# Altium PCB powerpath_controller.PcbDoc
Units mm, origin at the board's own origin, x right, y up, seen from the top; angles counter-clockwise.
Board outline 71.37 x 65.02 mm, 2 copper layers (Top Layer, Bottom Layer); 40 components, 17 nets, 108 pads, 16 vias.
Unrouted connection lines stored in the file: 13.
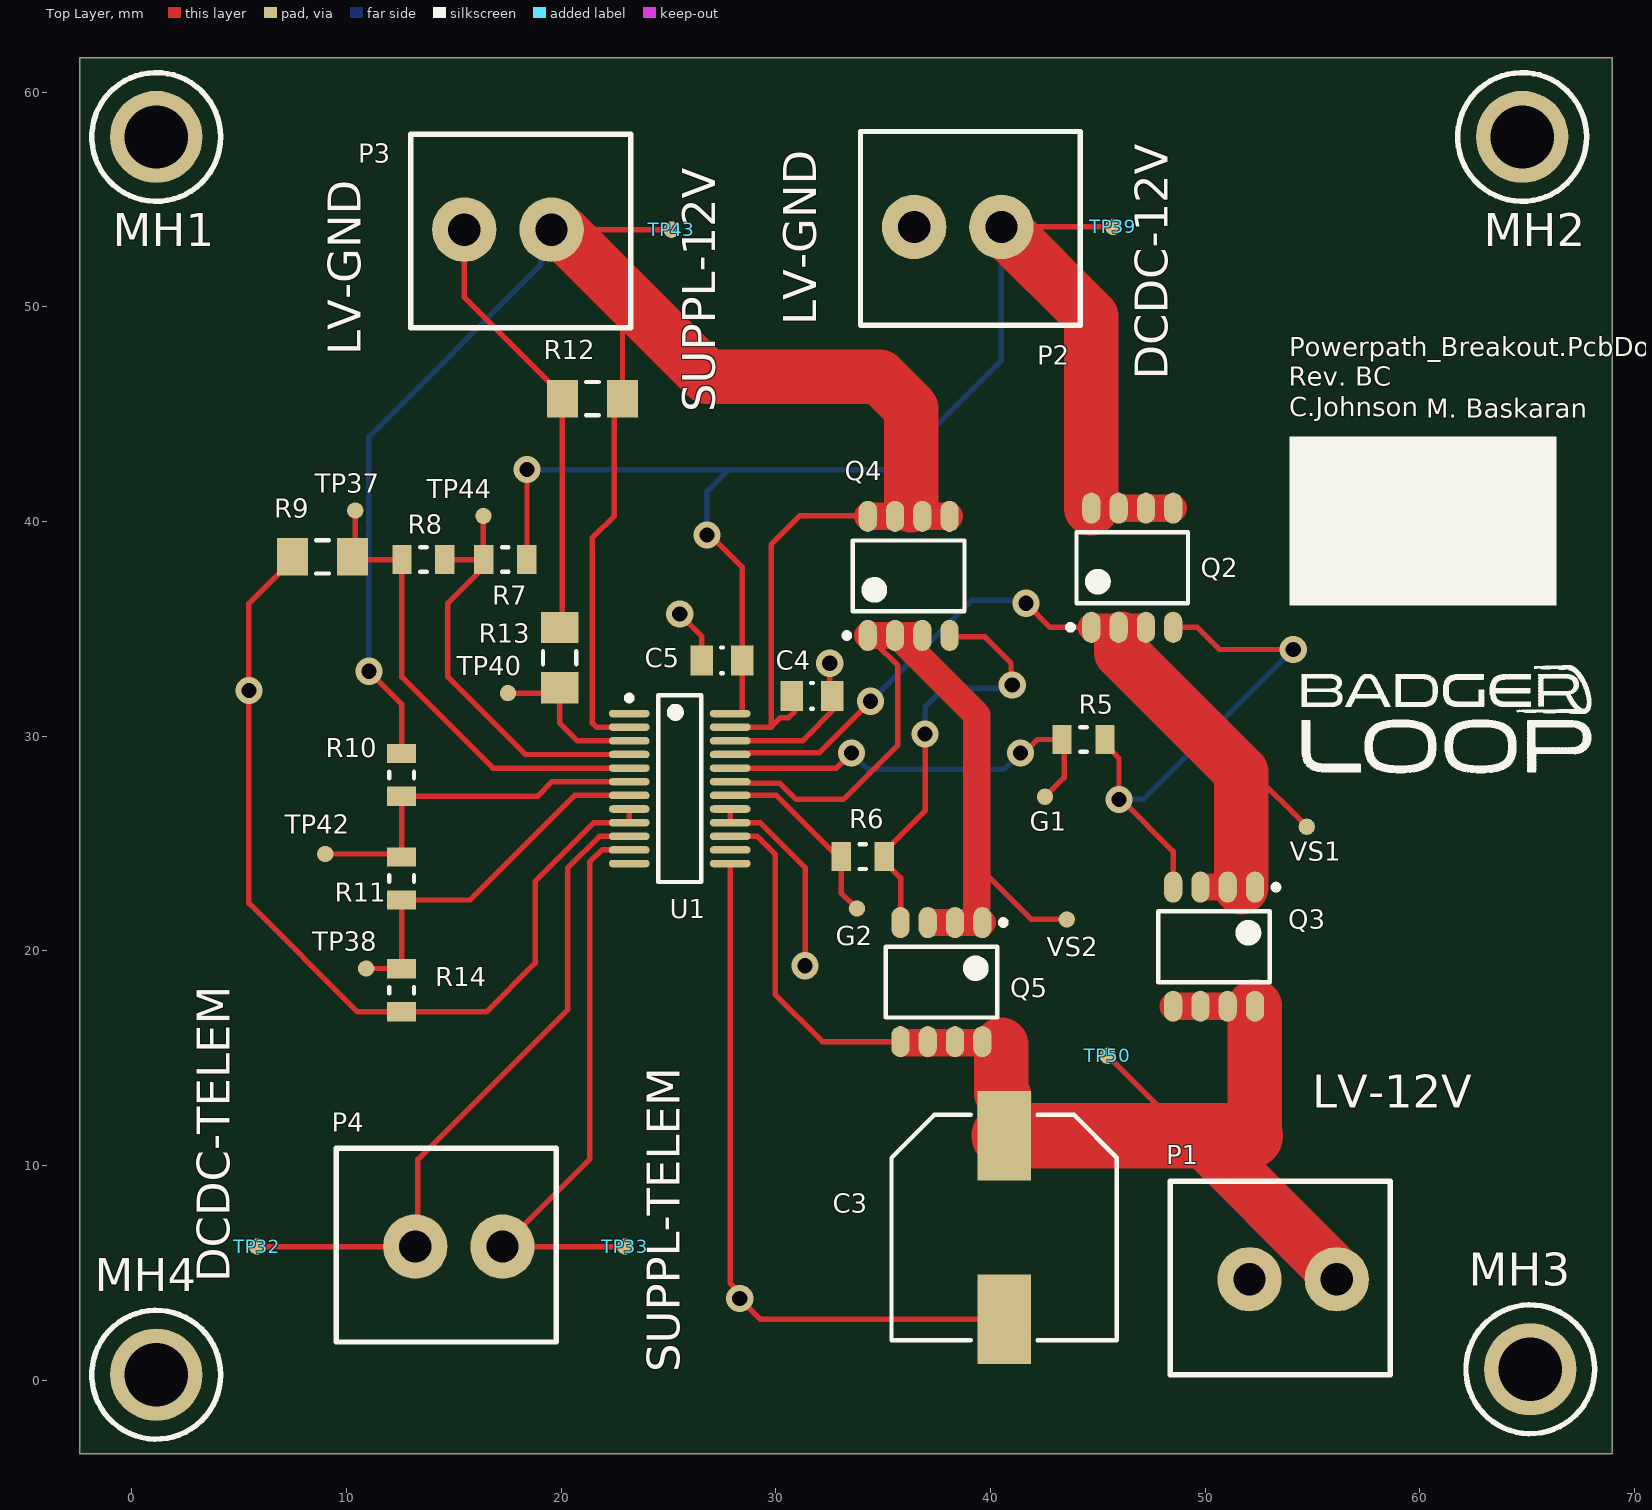
[diagram p0: Top Layer view]
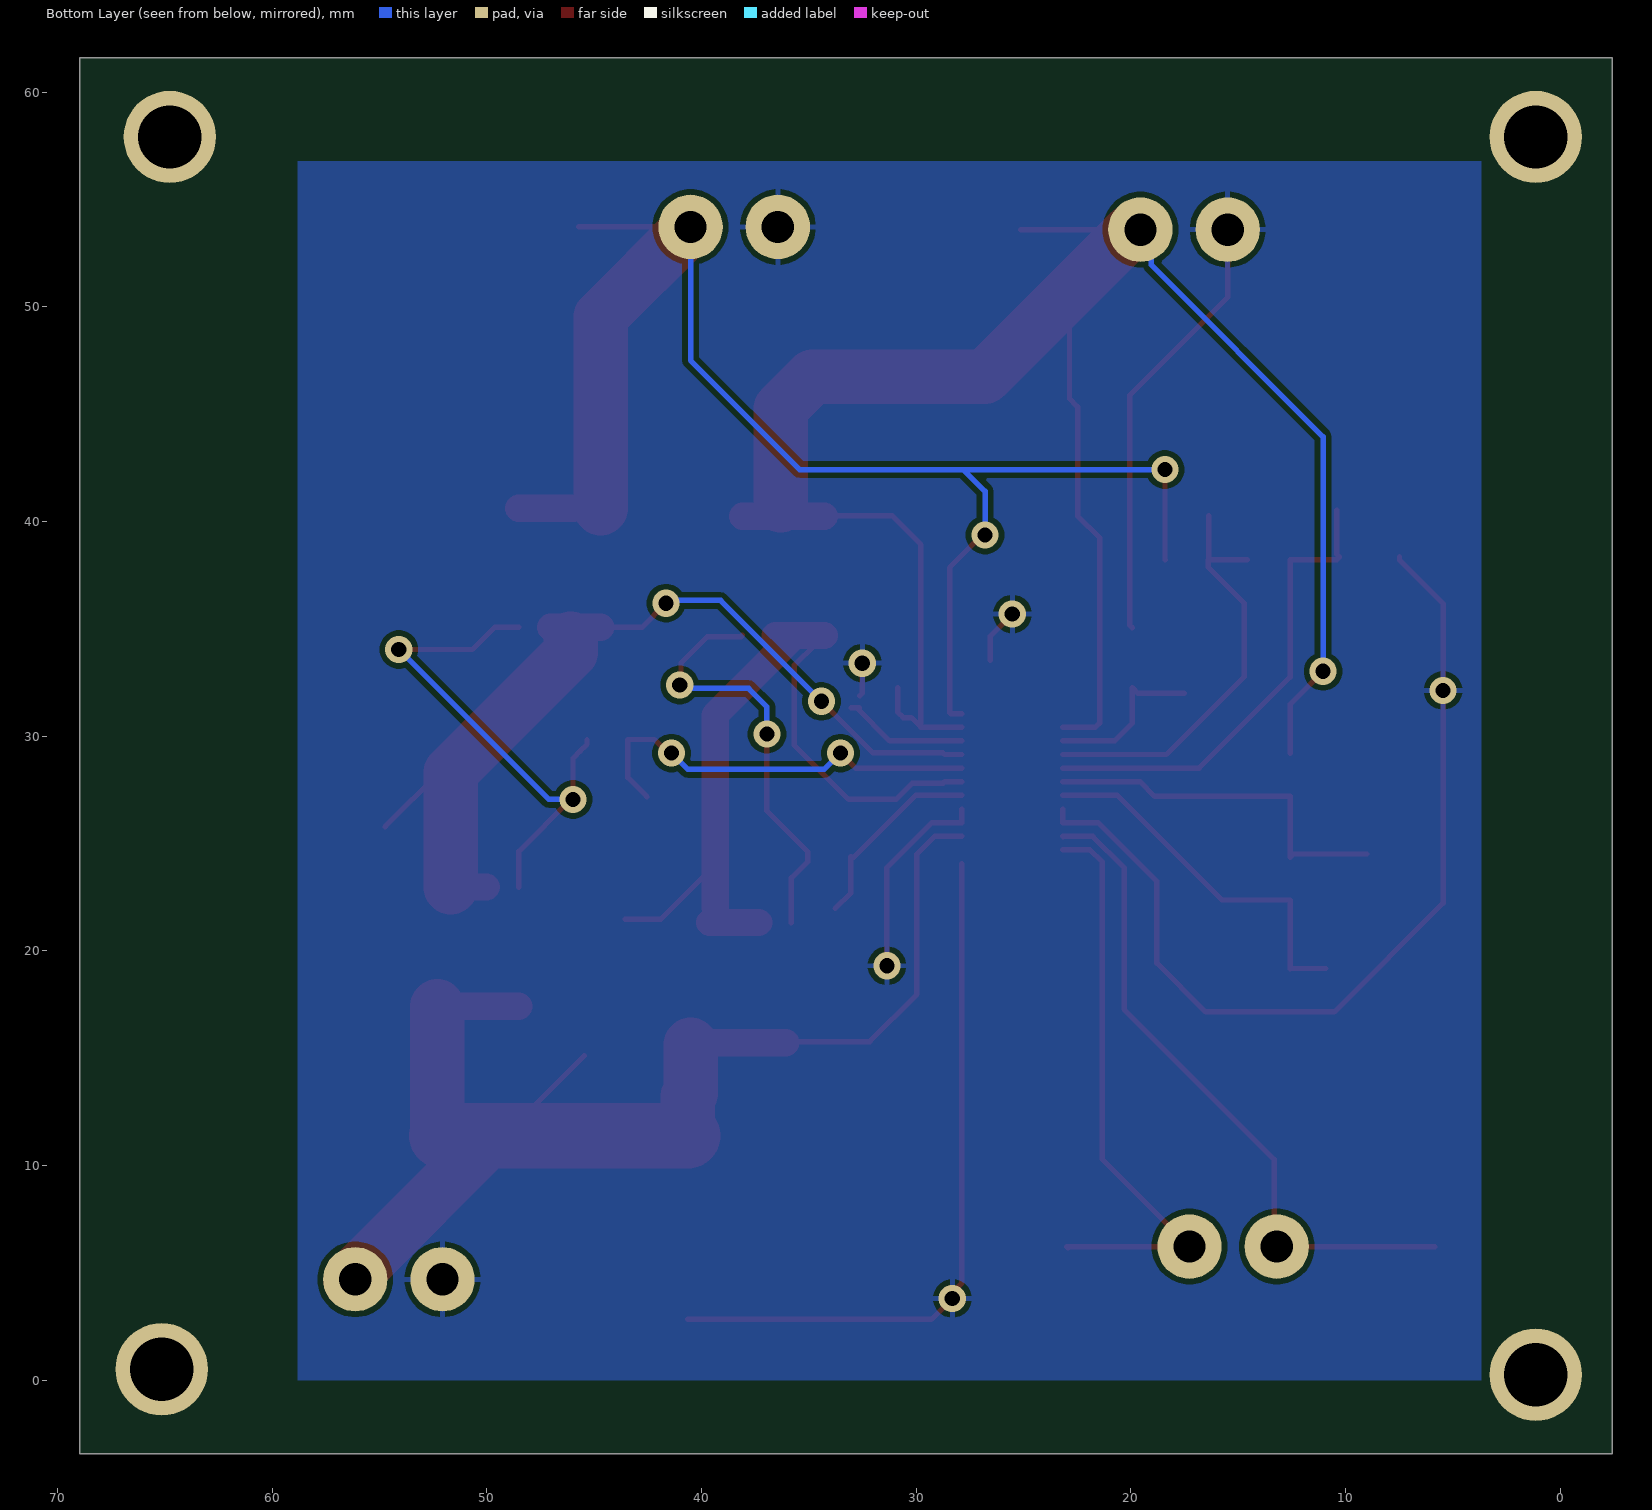
[diagram p1: Bottom Layer view, seen from below]
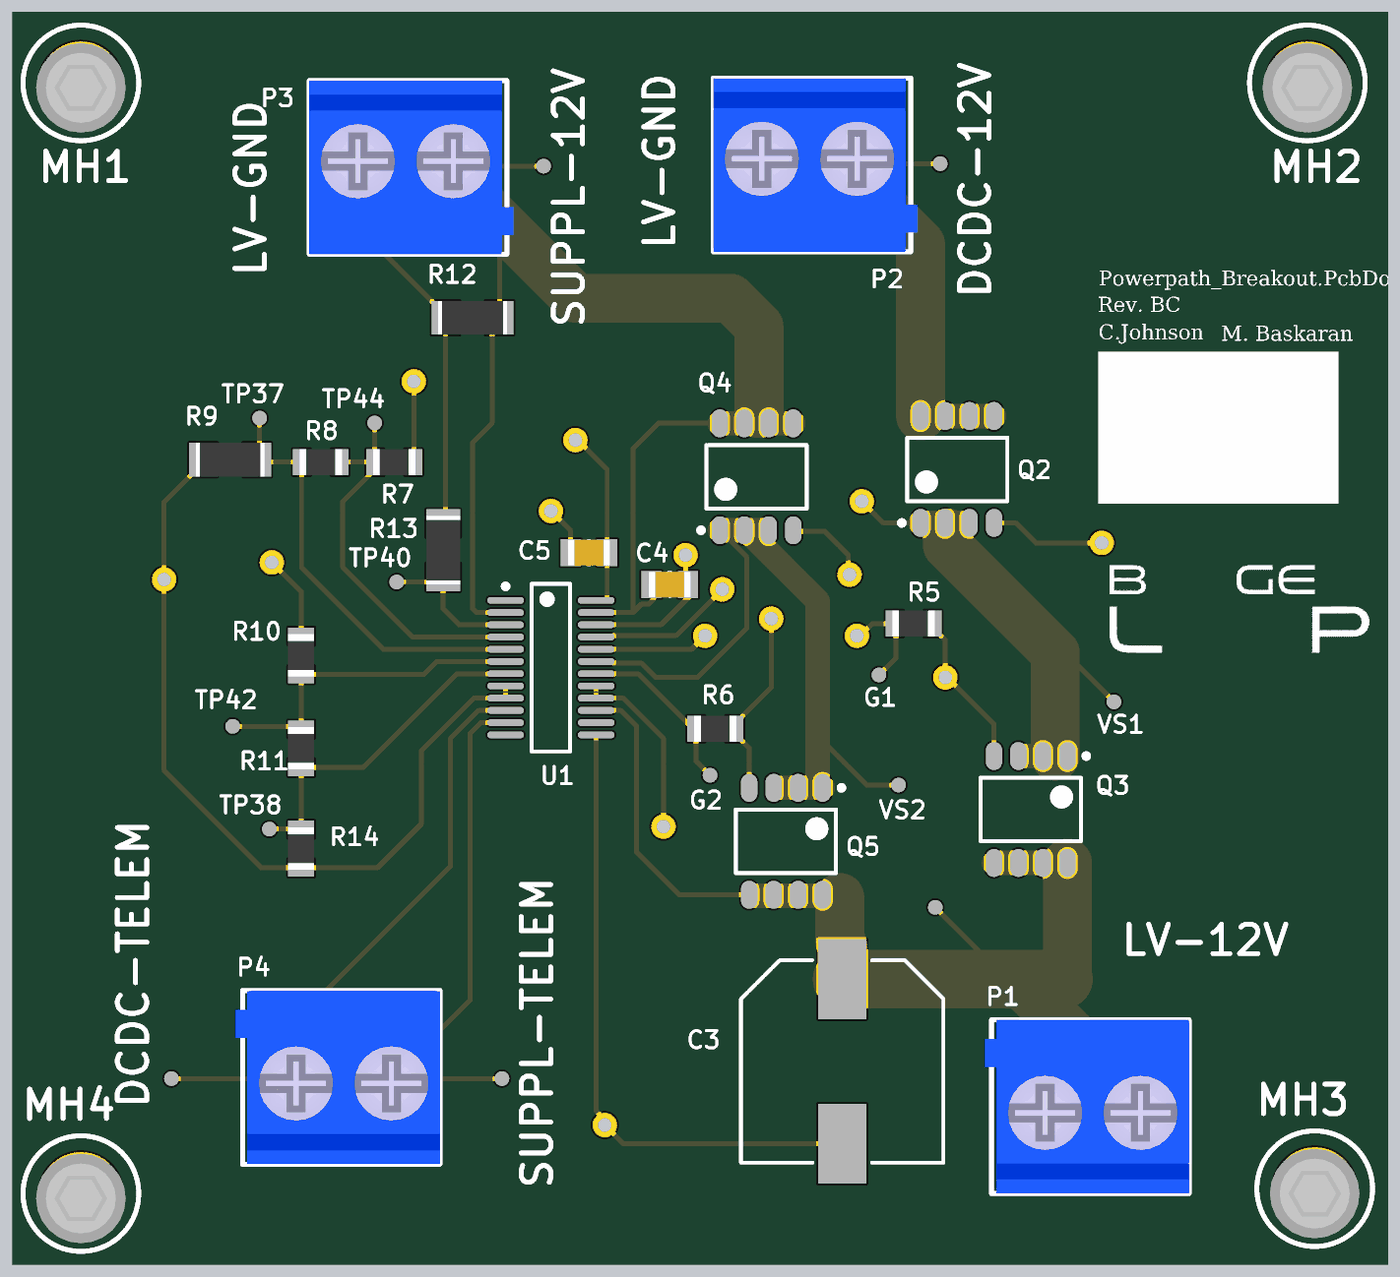
[diagram p2: 3D render of the assembled board from above, using the file's embedded part models]

## Layer stack, top to bottom
Top Solder: solder mask 0.0102, Solder Resist, Dk 3.5
Top Layer: signal copper 0.0356
Dielectric 1: dielectric 0.32, FR-4, Dk 4.8
Bottom Layer: signal copper 0.0356
Bottom Solder: solder mask 0.0102, Solder Resist, Dk 3.5

## Board outline
-2.413,-3.429 68.961,-3.429 68.961,61.595 -2.413,61.595

## Design rules (kind name [scope] priority, off if disabled: settings)
Clearance [All] p1: gap=0.254 ignorepadtopadclearanceinfootprint=FALSE except(0: Arc-Hole Track-Hole SMDPad-Hole THPad-Hole Via-Hole Fill-Hole Poly-Hole Region-Hole Text-Hole)
PolygonConnect [All] p1: connectstyle=Relief reliefconductorwidth=0.254 reliefentries=4 polygonreliefangle="90 Angle" airgapwidth=0.254
RoutingVias [All] p1: holewidth=0.711 width=1.27 viastyle="Through Hole" minholewidth=0.711 minwidth=1.27 maxholewidth=0.711 maxwidth=1.27
SolderMaskExpansion [All] p1: expansion=0.102 istentingtop=FALSE
Width Width_PPC [All] p1: maxlimit=100 minlimit=0.254 preferedwidth=0.254
Width Width_1 [All] p2: maxlimit=0.254 minlimit=0.254 preferedwidth=0.254
30 further rules are at their usual default settings.

## Components (designator, comment, footprint, x,y, rotation, side; value= is the part's Value field where it differs from the comment)
C3 "GYB1E331MCW1GS" CAPAE110103X110N 40.64,7.112 r270 top
C4 "0.10µF" SMD-0805C 31.689,31.877 r0 top
C5 "0.10µF" SMD-0805C 27.498,33.528 r180 top
G1 "TP" "Test Point" 42.545,27.178 r90 top (schematic designator TP35)
G2 "TP" "Test Point" 33.782,21.971 r90 top (schematic designator TP36)
MH1 "4-40 Mount Hole" MH 1.143,57.912 r0 top
MH2 "4-40 Mount Hole" MH 64.77,57.912 r0 top
MH3 "4-40 Mount Hole" MH 65.151,0.508 r0 top
MH4 "4-40 Mount Hole" MH 1.143,0.254 r0 top
P1 "Screw Terminal 2x1" "2POS TERM BLOCK" 56.134,4.699 r180 top
P2 "Screw Terminal 2x1" "2POS TERM BLOCK" 36.449,53.721 r0 top
P3 "Screw Terminal 2x1" "2POS TERM BLOCK" 15.494,53.594 r0 top
P4 "Screw Terminal 2x1" "2POS TERM BLOCK" 17.272,6.223 r180 top
Q2 "RS3L110ATTB1" RS3L110AT 46.609,37.846 r90 top
Q3 "RS3L110ATTB1" RS3L110AT 50.419,20.193 r270 top
Q4 "RS3L110ATTB1" RS3L110AT 36.195,37.465 r90 top
Q5 "RS3L110ATTB1" RS3L110AT 37.719,18.542 r270 top
R5 "10" SMD-0805-RES 44.339,29.845 r0 top
R6 "10" SMD-0805-RES 34.052,24.384 r0 top
R7 "1MR" SMD-0805-RES 17.399,38.227 r180 top
R8 "37.4kR" SMD-0805-RES 13.589,38.227 r0 top
R9 "73.2k" SMD-1206-RES 8.89,38.354 r0 top
R10 "1MR" SMD-0805-RES 12.573,28.194 r270 top
R11 "14.2kR" SMD-0805-RES 12.573,23.368 r90 top
R12 "3.3k" SMD-1206-RES 21.463,45.72 r0 top
R13 "255k" SMD-1206-RES 19.939,33.655 r270 top
R14 "80.6k" SMD-0805-RES 12.573,18.161 r90 top
TP32 "TP" "Test Point" 5.842,6.223 r90 top
TP33 "TP" "Test Point" 22.987,6.223 r90 top
TP37 "TP" "Test Point" 10.414,40.513 r90 top
TP38 "TP" "Test Point" 10.922,19.177 r90 top
TP39 "TP" "Test Point" 45.72,53.721 r90 top
TP40 "TP" "Test Point" 17.526,32.004 r90 top
TP42 "TP" "Test Point" 9.017,24.511 r90 top
TP43 "TP" "Test Point" 25.146,53.594 r90 top
TP44 "TP" "Test Point" 16.383,40.259 r90 top
TP50 "TP" "Test Point" 45.466,15.113 r90 top
U1 "LTC4417HGN#PBF" LT-GN-24_L 25.527,27.559 r0 top
VS1 "TP" "Test Point" 54.737,25.781 r90 top (schematic designator TP46)
VS2 "TP" "Test Point" 43.561,21.463 r90 top (schematic designator TP49)

## Footprints (in the part's own frame and the unit in brackets; to place one, negate y for a bottom-side part, rotate by r counter-clockwise, add the part's x,y. Pads: shape width x height; smd on the part's side, far side on the other; paste and mask are expansions set on the pad)
"2POS TERM BLOCK" [mm] "5mm Pitch"
  round 3 hole 1.5: 1(0,0) 2(4.064,0)
  silkscreen extent -2.5,-4.57 7.75,4.45, body extent -2.51,-4.57 8.09,4.43, height 12.6
CAPAE110103X110N [mm] "Aluminum Electrolytic Capacitor, Body 10.30x10.30x11.00mm, IPC Medium Density"
  rect 4.15x2.5 smd: 1(-4.275,0) 2(4.275,0)
  silkscreen extent -5.25,-5.25 5.25,5.25, body extent -5.25,-5.25 5.25,5.25, height 11
LT-GN-24_L [mm] "SOP, 24-Leads, Body 8.7x4mm, Pitch 0.635mm, IPC High Density"
  oval 1.9x0.35 smd: 1(-2.35,3.492) 2(-2.35,2.857) 3(-2.35,2.222) 4(-2.35,1.587) 5(-2.35,0.953) 6(-2.35,0.318) 7(-2.35,-0.318) 8(-2.35,-0.953) 9(-2.35,-1.587) 10(-2.35,-2.222) 11(-2.35,-2.857) 12(-2.35,-3.492) 13(2.35,-3.492) 14(2.35,-2.857) 15(2.35,-2.222) 16(2.35,-1.587) 17(2.35,-0.953) 18(2.35,-0.318) 19(2.35,0.318) 20(2.35,0.953) 21(2.35,1.587) 22(2.35,2.222) 23(2.35,2.857) 24(2.35,3.492)
  silkscreen extent -2.47,-4.35 1,4.35, body extent -2,-4.35 2,4.35, height 1.75
MH [mm] "#10 Mount Hole"
  round 4.3 hole 2.946 unplated: 2(0,0)
  silkscreen extent -3,-3 3,3, body extent -2.32,-2.58 2.32,2.07, height 2.84
RS3L110AT [mm] "SOP, 8-Leads, Body 5.00x3.90mm, Pitch 1.27mm, IPC Medium Density"
  oval 1.45x0.85 smd: 1(-2.775,1.905) 2(-2.775,0.635) 3(-2.775,-0.635) 4(-2.775,-1.905) 5(2.775,-1.905) 6(2.775,-0.635) 7(2.775,0.635) 8(2.775,1.905)
  silkscreen extent -2.9,-2.6 1.65,3, body extent -2.05,-2.6 2.05,2.6, height 1.75
SMD-0805-RES [mm]
  rect 0.9x1.35 smd: 1(-1,0) 2(1,0)
  silkscreen extent -0.15,-0.58 0.15,0.58, body extent -1.1,-0.67 1.1,0.67, height 0.5
SMD-0805C [mm]
  rect 1.05x1.4 smd: 1(-0.95,0) 2(0.95,0)
  silkscreen extent -0.05,-0.6 0.05,0.6, body extent -1.1,-0.67 1.1,0.67, height 0.5
SMD-1206-RES [mm]
  rect 1.45x1.75 smd: 1(-1.4,0) 2(1.4,0)
  silkscreen extent -0.3,-0.77 0.3,0.77, body extent -1.78,-0.87 1.78,0.87, height 0.5
"Test Point" [mil] "SMD Test Point"
  round 30 smd: 1(0,0)

## Part data
C3: "Aluminum Organic Polymer Capacitors 25V 330uf", Capacitance=330µF, ComponentLink1Description=Link, ComponentLink1URL=https://www.mouser.com/ProductDetail/Nichicon/GYB1E331MCW1GS?qs=sGAEpiMZZMvwFf0viD3Y3a3yb5D6sPUgteTcG6zlWVz7Qxll6G9Nxw%3D%3D
C4 C5: library part GCJ21BR71H104KA01L, "CAP CER 0.1UF 50V X7R 0805", Digi-Key Part Number=490-5803-1-ND, Manufacturer="Murata Electronics North America", Operating Temperature="-55°C ~ 125°C", Package / Case="0805 (2012 Metric)", Ratings=AEC-Q200, Temperature Coefficient=X7R, Tolerance=±10%, Voltage=50V, @ qty=0, Applications="Automotive, Boardflex Sensitive", Datasheets=http://www.murata.com/~/media/webrenewal/support/library/catalog/products/capacitor/mlcc/c03e.ashx, Factory Stock=0, Features="Soft Termination", Height - Seated (Max)=-, Image=//media.digikey.com/Renders/Murata%20Renders/0805%20(2012%20Metric)%20.85mm.jpg, Lead Spacing=-, Lead Style=-, Minimum Quantity=1, Mounting Type="Surface Mount, MLCC", Packaging="Cut Tape (CT)", Part Number=GCJ21BR71H104KA01L, Part Status=Active, Quantity Available=700, Series=GCJ, Size / Dimension="0.079\" L x 0.049\" W (2.00mm x 1.25mm)", Thickness (Max)="0.057\" (1.45mm)", Unit Price (USD)=0.24
G1 G2 TP32 TP33 TP37 TP38 TP39 TP40 TP42 TP43 TP44 TP50 VS1: "SMD TEST POINT"
P1 P2 P3 P4: library part CMP-008-000000-1, "Screw Terminal, 2-Pin", Design Item ID="Screw Terminal 2x1", Source=connector.SchLib, Type=Connector
Q2 Q3 Q4 Q5: library part CMP-008-000012-4, "Transistor MOSFET P-Channel -60V ±11A 8-Pin SOP T/R", Transistor Type="P-channel MOSFET"
  Q3 Q5: __ORIG_LIFECYCLESTATEGUID__=706004B5-C76E-482E-903B-BA0E4FAE086A
R5 R6: library part ERJ-6GEYJ100V, "RES SMD 10 OHM 5% 1/8W 0805", Digi-Key Part Number=P10ACT-ND, Manufacturer="Panasonic Electronic Components", Operating Temperature="-55°C ~ 155°C", Package / Case="0805 (2012 Metric)", Power (Watts)="0.125W, 1/8W", Supplier Device Package=0805, Temperature Coefficient=±200ppm/°C, Tolerance=±5%, @ qty=1500, Composition="Thick Film", Datasheets=http://industrial.panasonic.com/www-cgi/jvcr13pz.cgi?E+PZ+3+AOA0001+ERJ6GEYJ100V+7+WW, Factory Stock=0, Failure Rate=-, Features="Automotive AEC-Q200", Height - Seated (Max)="0.028\" (0.70mm)", Image=//media.digikey.com/Renders/Panasonic%20Renders/ERJ-0805%20Pkg.jpg, Minimum Quantity=1, Number of Terminations=2, Packaging="Cut Tape (CT)", Part Number=ERJ-6GEYJ100V, Part Status=Active, Quantity Available=282033, Series=ERJ, Size / Dimension="0.079\" L x 0.049\" W (2.00mm x 1.25mm)", Unit Price (USD)=0.00496
R7 R10: library part CRCW08051M00FKEAC, "RES 1M OHM 1% 1/8W 0805", Manufacturer=Vishay, Max Operating Temperature=155°C, Min Operating Temperature=-55°C, Package Height=0.5mm, Package Length=2mm, Package Style=SMTMeter, Package Width=1.25mm, Rated Power Dissipation (P)=125mW, Resistor Type="FIXED RESISTOR", Supplier Part Number 1=541-4135-1-ND, Temperature Coefficient=-100100ppm/°C, Tolerance=1%, Working Voltage=150V, Category="Chip SMD Resistors", ComponentLink1Description=https://datasheet.ciiva.com:443/pdfs/VipMasterIC/IC/VISH/VISH-S-A0003599164/VISH-S-A0003599164-1.pdf?src-supplier=IHS+Markit, ComponentLink1URL=https://datasheet.ciiva.com:443/pdfs/VipMasterIC/IC/VISH/VISH-S-A0003599164/VISH-S-A0003599164-1.pdf?src-supplier=IHS+Markit, ComponentLink2Description=http://www.vishay.com/docs/28773/crcwce3.pdf?src-supplier=Digi-Key, ComponentLink2URL=http://www.vishay.com/docs/28773/crcwce3.pdf?src-supplier=Digi-Key, ComponentLink3Description=http://www.vishay.com/docs/20035/dcrcwe3.pdf?src-supplier=Avnet, ComponentLink3URL=http://www.vishay.com/docs/20035/dcrcwe3.pdf?src-supplier=Avnet, Construction=Chip, JESD-609 Code=e3, Manufacturer Part Number=CRCW08051M00FKEAC, Number of Pins=2, Packaging="Tape and Reel", Pricing 1="1=0.10000, 10=0.06300, 100=0.02540, 1000=0.01143, 2500=0.00992 (USD)", REACH SVHC=Yes, Resistance=1MR, RoHS=Yes, RoHS Compliant=Yes, Size Code=0805, Stock 1=15539, Supplier 1=Digi-Key, Technology="METAL GLAZE/THICK FILM", Terminal Finish=Nickel
R8: library part CRCW080537K4FKEA, "RES SMD 37.4K OHM 1% 1/8W 0805", Manufacturer=Vishay, Max Operating Temperature=155°C, Min Operating Temperature=-55°C, Package Height=0.45mm, Package Length=2mm, Package Shape=Rectangular, Package Style=SMTMeter, Package Width=1.25mm, Rated Power Dissipation (P)=125mW, Rated Temperature=70°C, Resistor Type="FIXED RESISTOR", Supplier Part Number 1=541-37.4KCCT-ND, Temperature Coefficient=100ppm/°C, Tolerance=1%, Working Voltage=150V, Category="Chip SMD Resistors", ComponentLink1Description=https://datasheet.ciiva.com:443/pdfs/VipMasterIC/IC/VISH/VISH-S-A0007266705/VISH-S-A0007266705-1.pdf?src-supplier=IHS+Markit, ComponentLink1URL=https://datasheet.ciiva.com:443/pdfs/VipMasterIC/IC/VISH/VISH-S-A0007266705/VISH-S-A0007266705-1.pdf?src-supplier=IHS+Markit, ComponentLink2Description=https://datasheet.ciiva.com/9012/dcrcwe3-9012831.pdf?src-supplier=Avnet, ComponentLink2URL=https://datasheet.ciiva.com/9012/dcrcwe3-9012831.pdf?src-supplier=Avnet, ComponentLink3Description=https://datasheet.ciiva.com/7725/66915-7725943.pdf?src-supplier=Element14, ComponentLink3URL=https://datasheet.ciiva.com/7725/66915-7725943.pdf?src-supplier=Element14, ComponentLink4Description=https://datasheet.ciiva.com/22705/1697337-22705877.pdf?src-supplier=Element14, ComponentLink4URL=https://datasheet.ciiva.com/22705/1697337-22705877.pdf?src-supplier=Element14, ComponentLink5Description=https://datasheet.ciiva.com/22674/1912744-22674621.pdf?src-supplier=Element14, ComponentLink5URL=https://datasheet.ciiva.com/22674/1912744-22674621.pdf?src-supplier=Element14, ComponentLink6Description=https://datasheet.ciiva.com/7671/1697337-7671694.pdf?src-supplier=Element14, ComponentLink6URL=https://datasheet.ciiva.com/7671/1697337-7671694.pdf?src-supplier=Element14, ComponentLink7Description=https://datasheet.ciiva.com/7671/1697337-7671695.pdf?src-supplier=Element14, ComponentLink7URL=https://datasheet.ciiva.com/7671/1697337-7671695.pdf?src-supplier=Element14, ComponentLink8Description=https://datasheet.ciiva.com/16395/dcrcwe3-16395353.pdf?src-supplier=Future+Electronics, ComponentLink8URL=https://datasheet.ciiva.com/16395/dcrcwe3-16395353.pdf?src-supplier=Future+Electronics, ComponentLink9Description=https://datasheet.ciiva.com/2525/dcrcwe3-2525821.pdf?src-supplier=Digi-Key, ComponentLink9URL=https://datasheet.ciiva.com/2525/dcrcwe3-2525821.pdf?src-supplier=Digi-Key, ComponentLink10Description=https://datasheet.ciiva.com/2525/dcrcwe3-2525822.pdf?src-supplier=Digi-Key, ComponentLink10URL=https://datasheet.ciiva.com/2525/dcrcwe3-2525822.pdf?src-supplier=Digi-Key, ComponentLink11Description=https://datasheet.ciiva.com/2525/dcrcwe3-2525823.pdf?src-supplier=Digi-Key, ComponentLink11URL=https://datasheet.ciiva.com/2525/dcrcwe3-2525823.pdf?src-supplier=Digi-Key, Construction=Chip, JESD-609 Code=e3, Manufacturer Part Number=CRCW080537K4FKEA, Mount="Surface Mount", Number of Pins=2, Packaging="Tape and Reel", Pricing 1="1=0.10000, 10=0.06700, 100=0.02710, 1000=0.01219, 2500=0.01058 (USD)", REACH SVHC=Yes, Reference Standard=AEC-Q200, Resistance=37.4kR, RoHS=Yes, RoHS Compliant=Yes, Size Code=0805, Stock 1=12211, Supplier 1=Digi-Key, Technology="METAL GLAZE/THICK FILM", Terminal Finish=Nickel, Termination=Wraparound
R9: library part ERJ-8ENF7322V, "RES SMD 73.2K OHM 1% 1/4W 1206", Digi-Key Part Number=P73.2KFCT-ND, Manufacturer="Panasonic Electronic Components", Operating Temperature="-55°C ~ 155°C", Package / Case="1206 (3216 Metric)", Power (Watts)="0.25W, 1/4W", Supplier Device Package=1206, Temperature Coefficient=±100ppm/°C, Tolerance=±1%, @ qty=1500, Composition="Thick Film", Datasheets=http://industrial.panasonic.com/www-cgi/jvcr13pz.cgi?E+PZ+3+AOA0002+ERJ8ENF7322V+7+WW, Factory Stock=0, Failure Rate=-, Features="Automotive AEC-Q200", Height - Seated (Max)="0.028\" (0.70mm)", Image=//media.digikey.com/Renders/Panasonic%20Renders/ERJ-1206%20Pkg.jpg, Minimum Quantity=1, Number of Terminations=2, Packaging="Cut Tape (CT)", Part Number=ERJ-8ENF7322V, Part Status=Active, Quantity Available=19226, Series=ERJ, Size / Dimension="0.126\" L x 0.063\" W (3.20mm x 1.60mm)", Unit Price (USD)=0.00933
R11: library part TNPW080514K2BEEA, "RES 14.2K OHM 0.1% 1/5W 0805", Manufacturer=Vishay, Max Operating Temperature=125°C, Min Operating Temperature=-55°C, Package Height=0.45mm, Package Length=2mm, Package Style=SMTMeter, Package Width=1.25mm, Rated Power Dissipation (P)=125mW, Rated Temperature=70°C, Resistor Type="FIXED RESISTOR", Supplier Part Number 1=71-TNPW080514K2BEEA, Temperature Coefficient=25ppm/°C, Tolerance=0.1%, Working Voltage=150V, Category="Chip SMD Resistors", ComponentLink1Description=https://datasheet.ciiva.com:443/pdfs/VipMasterIC/IC/VISH/VISH-S-A0002290253/VISH-S-A0002290253-1.pdf?src-supplier=IHS+Markit, ComponentLink1URL=https://datasheet.ciiva.com:443/pdfs/VipMasterIC/IC/VISH/VISH-S-A0002290253/VISH-S-A0002290253-1.pdf?src-supplier=IHS+Markit, ComponentLink2Description=http://www.mouser.com/ds/2/427/tnpw_e3-64594.pdf?src-supplier=Mouser, ComponentLink2URL=http://www.mouser.com/ds/2/427/tnpw_e3-64594.pdf?src-supplier=Mouser, ComponentLink3Description=http://www.vishay.com/docs/28758/tnpw_e3.pdf?src-supplier=Avnet, ComponentLink3URL=http://www.vishay.com/docs/28758/tnpw_e3.pdf?src-supplier=Avnet, ComponentLink4Description=http://www.vishay.com/docs/28758/tnpw_e3.pdf?src-supplier=Digi-Key, ComponentLink4URL=http://www.vishay.com/docs/28758/tnpw_e3.pdf?src-supplier=Digi-Key, ComponentLink5Description=http://www.vishay.com/docs/28758/tnpw_e3.pdf?src-supplier=Future+Electronics, ComponentLink5URL=http://www.vishay.com/docs/28758/tnpw_e3.pdf?src-supplier=Future+Electronics, Construction=Chip, Manufacturer Part Number=TNPW080514K2BEEA, Mount="Surface Mount", Number of Pins=2, Packaging="Tape and Reel", Pricing 1="1=0.75000, 10=0.54900, 50=0.54900, 100=0.35000, 1000=0.22100, 10000=0.21500 (USD)", REACH SVHC=Yes, Reference Standard=AEC-Q200, Resistance=14.2kR, RoHS=Yes, RoHS Compliant=Yes, Size Code=0805, Stock 1=1469, Supplier 1=Mouser, Technology="THIN FILM", Terminal Finish=Nickel, Termination=Wraparound
R12: library part ERJ-8ENF3301V, "RES SMD 3.3K OHM 1% 1/4W 1206", Digi-Key Part Number=P3.30KFCT-ND, Manufacturer="Panasonic Electronic Components", Operating Temperature="-55°C ~ 155°C", Package / Case="1206 (3216 Metric)", Power (Watts)="0.25W, 1/4W", Supplier Device Package=1206, Temperature Coefficient=±100ppm/°C, Tolerance=±1%, @ qty=1500, Composition="Thick Film", Datasheets=http://industrial.panasonic.com/www-cgi/jvcr13pz.cgi?E+PZ+3+AOA0002+ERJ8ENF3301V+7+WW, Factory Stock=0, Failure Rate=-, Features="Automotive AEC-Q200", Height - Seated (Max)="0.028\" (0.70mm)", Image=//media.digikey.com/Renders/Panasonic%20Renders/ERJ-1206%20Pkg.jpg, Minimum Quantity=1, Number of Terminations=2, Packaging="Cut Tape (CT)", Part Number=ERJ-8ENF3301V, Part Status=Active, Quantity Available=48879, Series=ERJ, Size / Dimension="0.126\" L x 0.063\" W (3.20mm x 1.60mm)", Unit Price (USD)=0.00933
R13: library part ERJ-8ENF2553V, "RES SMD 255K OHM 1% 1/4W 1206", Digi-Key Part Number=P255KFCT-ND, Manufacturer="Panasonic Electronic Components", Operating Temperature="-55°C ~ 155°C", Package / Case="1206 (3216 Metric)", Power (Watts)="0.25W, 1/4W", Supplier Device Package=1206, Temperature Coefficient=±100ppm/°C, Tolerance=±1%, @ qty=1500, Composition="Thick Film", Datasheets=http://industrial.panasonic.com/www-cgi/jvcr13pz.cgi?E+PZ+3+AOA0002+ERJ8ENF2553V+7+WW, Factory Stock=0, Failure Rate=-, Features="Automotive AEC-Q200", Height - Seated (Max)="0.028\" (0.70mm)", Image=//media.digikey.com/Renders/Panasonic%20Renders/ERJ-1206%20Pkg.jpg, Minimum Quantity=1, Number of Terminations=2, Packaging="Cut Tape (CT)", Part Number=ERJ-8ENF2553V, Part Status=Active, Quantity Available=49543, Series=ERJ, Size / Dimension="0.126\" L x 0.063\" W (3.20mm x 1.60mm)", Unit Price (USD)=0.00933
R14: library part ERJ-6ENF8062V, "RES SMD 80.6K OHM 1% 1/8W 0805", Digi-Key Part Number=P80.6KCCT-ND, Manufacturer="Panasonic Electronic Components", Operating Temperature="-55°C ~ 155°C", Package / Case="0805 (2012 Metric)", Power (Watts)="0.125W, 1/8W", Supplier Device Package=0805, Temperature Coefficient=±100ppm/°C, Tolerance=±1%, @ qty=1500, Composition="Thick Film", Datasheets=http://industrial.panasonic.com/www-cgi/jvcr13pz.cgi?E+PZ+3+AOA0002+ERJ6ENF8062V+7+WW, Factory Stock=0, Failure Rate=-, Features="Automotive AEC-Q200", Height - Seated (Max)="0.028\" (0.70mm)", Image=//media.digikey.com/Renders/Panasonic%20Renders/ERJ-0805%20Pkg.jpg, Minimum Quantity=1, Number of Terminations=2, Packaging="Cut Tape (CT)", Part Number=ERJ-6ENF8062V, Part Status=Active, Quantity Available=48051, Series=ERJ, Size / Dimension="0.079\" L x 0.049\" W (2.00mm x 1.25mm)", Unit Price (USD)=0.00729
U1: library part CMP-008-000010-2, "Power Supply Support Circuit, Adjustable, 3 Channel, CMOS, PDSO24"
VS2: library part CMP-039-000000-1, "SMD TEST POINT", Design Item ID=TP, Source=misc.SchLib

## Via types
v1: diameter 1.27, hole 0.711, Top Layer to Bottom Layer, 16 vias

## Nets (pads, with @x,y where several pads share a name; then routed paths per layer and width w, separated by ;. In a path a pad name is that pad's centre, name@x,y a point inside that pad or via, vN(x,y) a via of type N, cw(c..) or ccw(c..) an arc to the next point about the centre after c; other vN are vias at no path point)
DCDC-12: C5.1 P2.2 Q2.5 Q2.6 Q2.7 Q2.8 R7.1 TP39.1 U1.24 | length 71.8
  Top Layer w0.254: R7.1 18.415,38.243 v1(18.415,42.418) ; v1@26.86,39.433 28.448,37.846 C5.1 28.448,31.096 28.404,31.051 U1.24 ; P2.2@40.305,53.513 P2.2 TP39.1 ; Q2.8 Q2.7
  Top Layer w1.27: Q2.7 Q2.6 Q2.5
  Top Layer w2.54: P2.2 44.704,49.53 Q2.8
  Bottom Layer w0.254: v1(18.415,42.418) 27.813,42.418 ; v1(26.797,39.37) 26.797,41.402 27.813,42.418 ; P2.2 40.513,47.498 35.433,42.418 27.813,42.418
LV-GND: C3.2 C4.2 C5.2 P1.2 P2.1 P3.1 R9.1 R12.1 R13.1 R14.1 U1.8 U1.9 U1.13 U1.16 U1.17 U1.22 | length 116.6
  Top Layer w0.254: R9.1 7.49,38.204 5.461,36.175 v1(5.461,32.131) 5.461,22.225 10.525,17.161 R14.1 16.526,17.161 18.796,19.431 18.796,23.241 21.526,25.971 U1.9 U1.8 ; P3.1 15.494,50.439 20.063,45.87 R12.1 ; R13.1 20.066,35.182 R12.1@20.066,45.72 ; v1(25.527,35.687) 26.548,34.666 C5.2 ; U1.13 27.877,4.529 28.321,4.085 v1(28.321,3.81) 29.294,2.837 C3.2 ; U1.17 U1.16 29.273,25.971 31.369,23.876 v1(31.369,19.304) ; U1.22 31.239,29.781 C4.2@32.784,31.326 ; v1(32.512,33.401) 32.512,32.004 C4.2 ; C4.2@32.657,31.304 32.667,31.315 C4.2@33.026,31.315
NetQ2_1: Q2.1 Q2.2 Q2.3 Q3.1 Q3.2 Q3.3 U1.21 VS1.1 | length 43.3
  Top Layer w0.254: U1.21 28.678,29.146 28.757,29.225 32.019,29.225 v1(34.417,31.623) ; v1(41.656,36.195) 42.78,35.071 Q2.1 ; 51.689,26.416 52.07,26.416 ; 51.689,28.321 52.197,28.321 VS1.1
  Top Layer w1.27: Q2.1 Q2.2 Q2.3@47.034,35.071 ; Q3.3@50.038,22.968 Q3.2 51.689,22.968 Q3.1
  Top Layer w2.54: Q2.2@46.101,34.544 46.101,33.909 51.689,28.321 51.689,26.416 51.689,22.968
  Bottom Layer w0.254: v1(34.417,31.623) 39.116,36.322 41.529,36.322 v1(41.656,36.195)
NetQ2_4: Q2.4 Q3.4 R5.2 | length 25.1
  Top Layer w0.254: R5.2 45.339,29.62 45.662,29.297 45.99,28.969 v1(45.99,27.051) ; v1@46.101,27.051 48.514,24.638 Q3.4 ; Q2.4 49.638,35.071 50.673,34.036 v1(54.102,34.036)
  Bottom Layer w0.254: v1@46.101,27.051 47.117,27.051 v1(54.102,34.036)
NetQ4_1: Q4.1 Q4.2 Q4.3 Q5.1 Q5.2 Q5.3 U1.19 VS2.1 | length 40.1
  Top Layer w0.254: U1.19 28.678,27.877 28.757,27.798 30.198,27.798 30.944,27.051 33.147,27.051 35.687,29.591 35.687,33.293 34.704,34.276 34.565,34.276 34.29,34.551 Q4.1 Q4.1@34.036,34.69 ; Q4.3@36.83,34.417 Q4.3 ; Q5.1@39.37,21.397 39.51,21.537 39.51,21.892 39.37,22.032 ; 39.37,24.003 41.91,21.463 VS2.1
  Top Layer w1.27: Q4.1 Q4.2 Q4.3@36.576,34.69 ; Q4.2@35.75,34.608 39.37,30.988 39.37,24.003 39.37,22.032 ; Q5.3@37.338,21.317 Q5.2 Q5.1
NetQ4_4: Q4.4 Q5.4 R6.2 | length 20.1
  Top Layer w0.254: Q5.4 35.814,23.397 35.052,24.159 35.052,24.609 36.957,26.514 v1(36.957,30.099) ; Q4.4 38.157,34.633 39.729,34.633 40.961,33.401 40.961,32.445 v1(41.021,32.385)
  Bottom Layer w0.254: v1(36.957,30.099) 36.957,31.369 37.812,32.224 40.86,32.224 v1(41.021,32.385)
NetR5_1: G1.1 R5.1 U1.20 | length 19.7
  Top Layer w0.254: U1.20 32.829,28.511 v1(33.528,29.21) ; v1(41.402,29.21) 41.569,29.21 42.204,29.845 R5.1 ; G1.1 43.434,28.067 R5.1@43.434,29.845
  Bottom Layer w0.254: v1(33.528,29.21) 34.29,28.448 40.64,28.448 v1(41.402,29.21)
NetR6_1: G2.1 R6.1 U1.18 | length 9
  Top Layer w0.254: U1.18 30.035,27.241 R6.1@32.972,24.305 ; R6.1 33.052,22.701 G2.1
NetR7_2: R7.2 R8.2 TP44.1 U1.4 | length 19.8
  Top Layer w0.254: R8.2 R7.2@16.237,38.227 ; TP44.1 16.383,38.243 R7.2 16.399,37.862 14.732,36.195 14.732,32.766 18.351,29.146 U1.4
NetR8_1: R8.1 R9.2 TP37.1 U1.5 | length 22.4
  Top Layer w0.254: TP37.1 10.414,38.478 R9.2 10.417,38.227 R8.1 12.589,32.75 16.828,28.511 U1.5
NetR10_2: R10.2 R11.2 TP42.1 U1.6 | length 17.3
  Top Layer w0.254: TP42.1 12.43,24.511 R11.2 R10.2 18.899,27.194 19.581,27.877 U1.6
NetR11_1: R11.1 R14.2 TP38.1 U1.7 | length 17.5
  Top Layer w0.254: TP38.1 12.557,19.177 R14.2 R11.1 15.764,22.368 20.637,27.241 U1.7
NetR13_2: R13.2 TP40.1 U1.3 | length 7.7
  Top Layer w0.254: TP40.1 19.688,32.004 R13.2 19.939,30.607 20.764,29.781 U1.3
PPC-DCDC-TELEM: P4.2 TP32.1 U1.10 | length 31.5
  Top Layer w0.254: TP32.1 13.335,6.223 13.335,10.287 20.32,17.272 20.32,23.876 21.78,25.336 U1.10 U1.10@23.159,25.318
PPC-SUPPL-TELEM: P4.1 TP33.1 U1.11 | length 27.5
  Top Layer w0.254: TP33.1@22.924,6.159 TP33.1 P4.1 21.336,10.287 21.336,24.13 21.907,24.701 U1.11
SUPPL-12V: C4.1 P3.2 Q4.5 Q4.6 Q4.7 Q4.8 R10.1 R12.2 TP43.1 U1.2 U1.23 | length 103.1
  Top Layer w0.254: v1(11.049,33.02) 12.573,31.496 R10.1 ; P3.2 TP43.1 ; 22.736,50.803 22.863,50.676 R12.2 22.479,45.336 22.479,40.259 21.463,39.243 21.463,30.607 21.653,30.416 U1.2 ; U1.23 29.781,30.416 ; C4.1@30.866,32.258 30.866,31.12 30.607,30.861 30.226,30.861 29.781,30.416 ; Q4.8 34.271,40.259 31.115,40.259 29.781,38.925 29.781,30.416
  Top Layer w1.27: Q4.8 Q4.7 Q4.6 Q4.5
  Top Layer w2.54: P3.2 19.646,53.506 20.033,53.506 22.736,50.803 ; 22.863,50.676 26.803,46.736 34.834,46.736 36.322,45.248 36.322,40.748
  Bottom Layer w0.254: v1(11.049,33.02) 11.049,43.942 19.053,51.946 19.053,53.089 P3.2
V-Raw12V: C3.1 P1.1 Q3.5 Q3.6 Q3.7 Q3.8 Q5.5 Q5.6 Q5.7 Q5.8 TP50.1 U1.15 | length 60.4
  Top Layer w0.254: U1.15 29.146,25.336 29.972,24.511 29.972,17.97 32.175,15.767 Q5.5 ; C3.1 C3.1@41.275,12.022 ; TP50.1 48.641,11.938 48.641,11.387 ; 52.113,11.387 52.324,11.598
  Top Layer w1.27: Q5.5@36.068,15.723 37.084,15.723 38.354,15.723 Q5.8@39.624,15.723 ; Q3.5 Q3.6 Q3.7 Q3.8
  Top Layer w2.54: 40.513,15.621 40.513,13.36 40.64,13.233 C3.1 ; 49.7,11.387 55.904,5.183 55.904,5.053 P1.1@56.346,4.611 ; 52.324,11.598 Q3.8
  Top Layer w3.048: C3.1 48.641,11.387 52.113,11.387
pads on no net: MH1.2 MH2.2 MH3.2 MH4.2 U1.1 U1.12 U1.14

## Polygon pours and split planes (outlines as drawn)
LV-GND on Bottom Layer "LV-GND_L02_P003" (solid, pour order 3): 3.683,56.769 58.801,56.769 58.801,0 3.683,0

## Silkscreen, mask and mechanical layers (free items; w line width, h text height)
Top Overlay:
  drawing of 11 lines, arcs and shapes, not listed
  text "LV-GND" at 31.877,49.149 h1.52 r90
  text "LV-GND" at 10.668,47.752 h1.52 r90
  text "Powerpath_Breakout.PcbDoc" at 53.93,47.397 h1.52
  text "DCDC-12V" at 48.26,46.609 h1.52 r90
  text "Rev. BC" at 53.898,46.03 h1.52
  text "SUPPL-12V" at 27.178,45.085 h1.52 r90
  text "C.Johnson" at 53.93,44.6 h1.52
  text "M. Baskaran" at 60.298,44.53 h1.52
  text "LV-12V" at 54.991,12.7 h1.52
  text "DCDC-TELEM" at 4.572,4.572 h1.52 r90
  text "SUPPL-TELEM" at 25.527,0.381 h1.52 r90
Mechanical 1:
  lines w0.5: -2.413,-3.302 -2.413,61.595 68.834,61.595 68.834,-3.429 -2.286,-3.429 -2.413,-3.302